# Altium PCB Copy of STM32F103_扩展板.PcbDoc (continued)
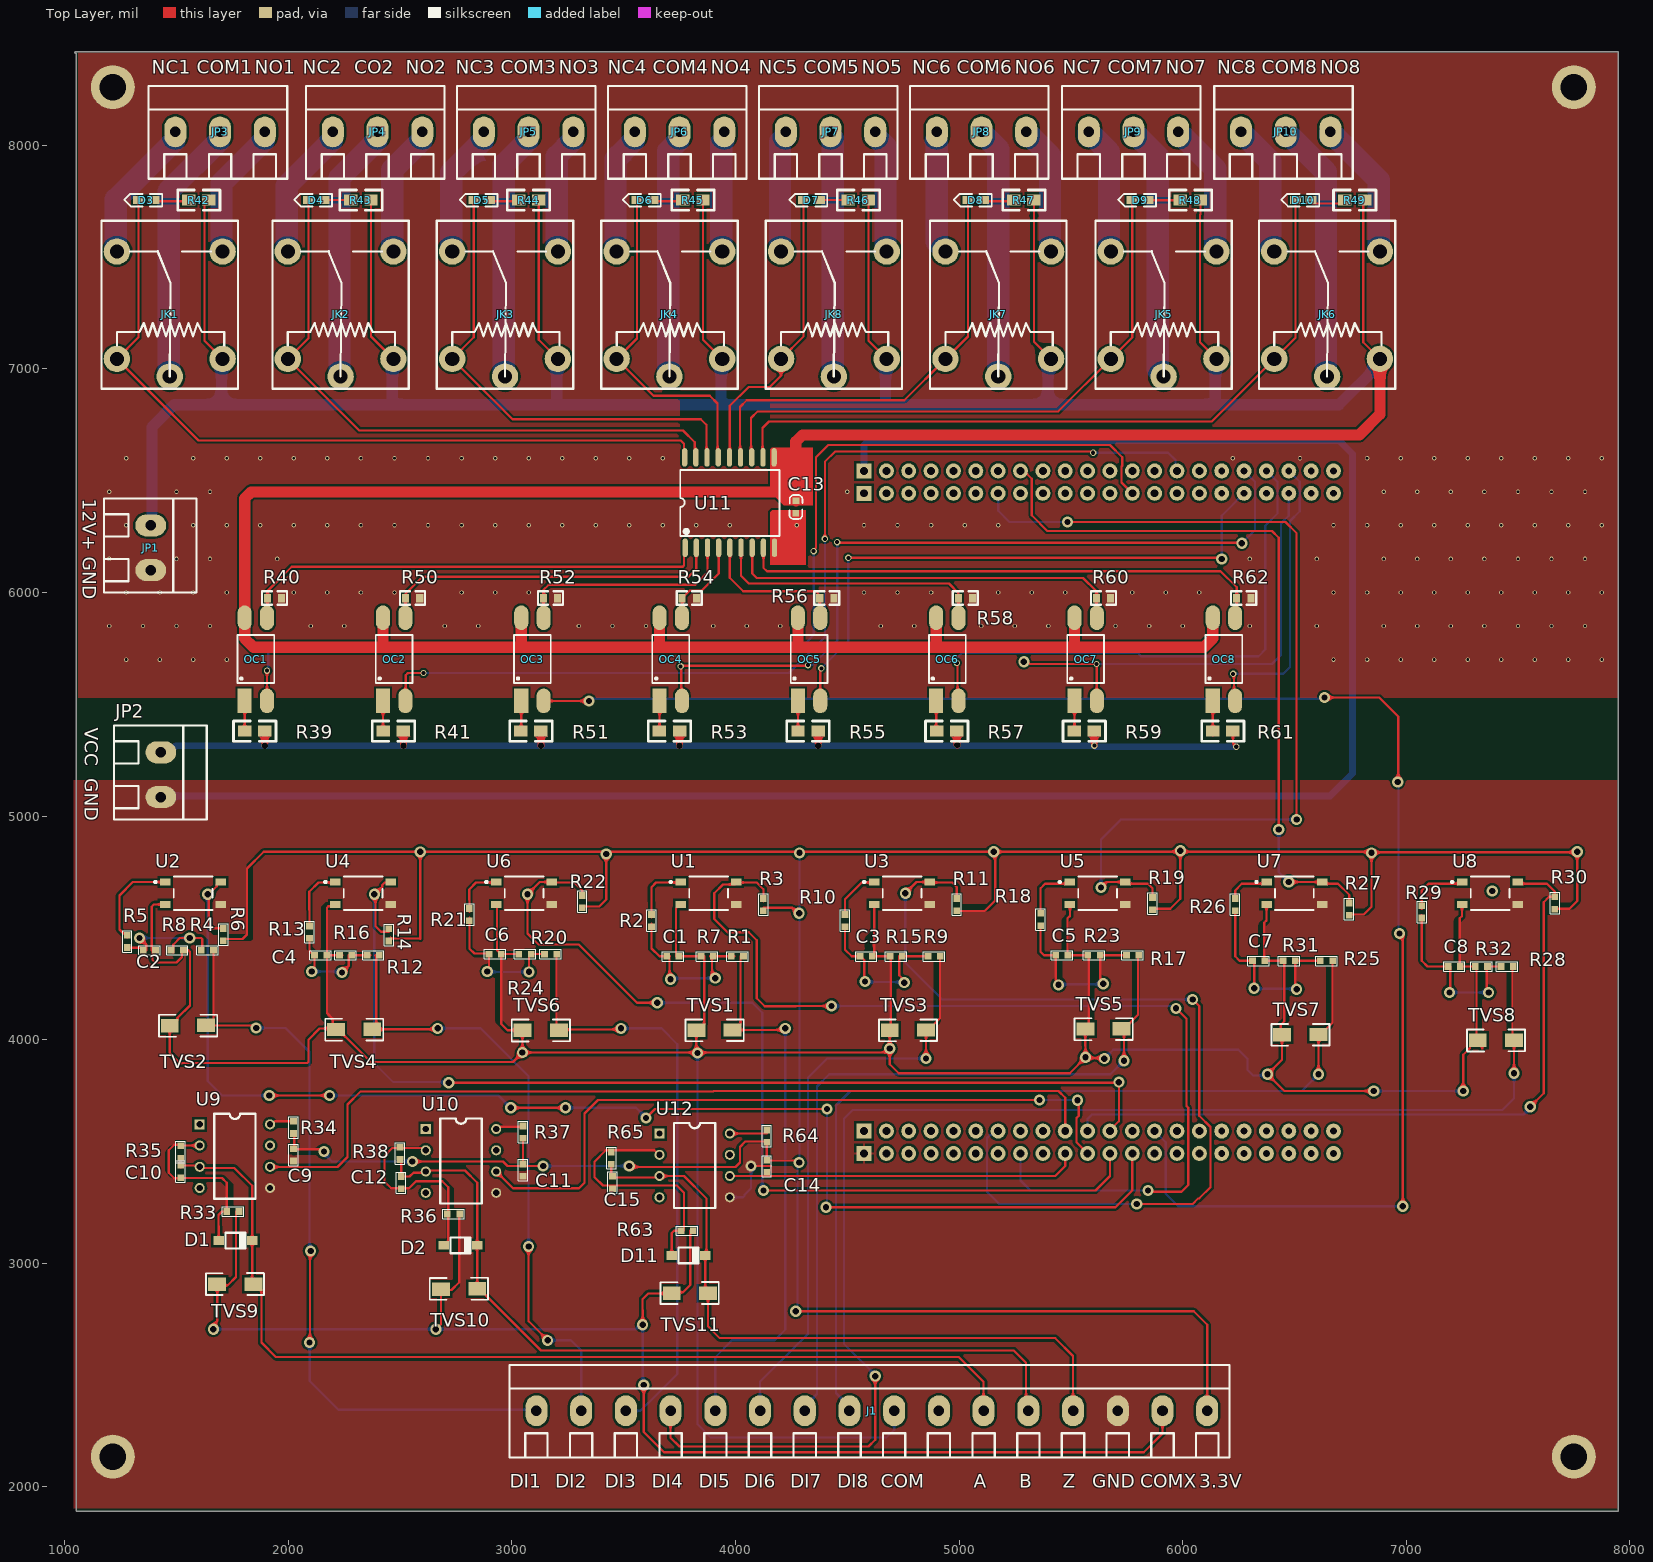
[diagram p0: Top Layer view]
## Nets (pads, with @x,y where several pads share a name; then routed paths per layer and width w, separated by ;. In a path a pad name is that pad's centre, name@x,y a point inside that pad or via, vN(x,y) a via of type N, cw(c..) or ccw(c..) an arc to the next point about the centre after c; other vN are vias at no path point) (continued)
B: C12.2 D2.2 J1.12 R38.1 TVS10.1 U10.3 | length 3738.3
  Top Layer w10: R38.1 2505,3458.72 C12.2 2542.5,3387.5 2560,3405 2610,3405 U10.3 2620,3415 2790,3415 2845,3360 D2.2 TVS10.1 2855,2885 3130,2610 5245,2610 5300,2555 5300,2350 J1.12
COMX0: J1.15 R33.2 R36.2 R63.2 TVS9.2 TVS10.2 TVS11.2 | length 6704.1
  Top Layer w10: v2@1650,2710 1682.56,2742.56 TVS9.2@1682.56,2904.49 ; TVS9.2 1685.76,2901.29 1728.71,2901.29 1766.27,2938.85 R33.2@1766.27,3231.29 ; v2(2660,2705) 2682.56,2727.56 2682.56,2880 TVS10.2 2687.05,2880 2730,2880 2765,2915 R36.2@2765,3221.09 ; v2(3585,2725) 3585,2790.88 3584.14,2791.74 3584.14,2839.14 3610,2865 TVS11.2 3720,2870 3765,2870 3797.56,2902.56 R63.2@3797.56,3145 ; v2(3590,2455) 3590,2245 3680,2155 5826.72,2155 5910,2238.28 J1.15
  Bottom Layer w10: v2(1665,2705) v2(2660,2705) 3554.18,2705 3574.18,2725 v2(3585,2725) 3585,2460 v2(3590,2455) v2@3595,2450
DUL1: OC1.3 R40.1 U11.1 | length 2080
  Top Layer w10: OC1.3 1907.01,5889.13 R40.1 1907.01,6007.01 2015,6115 3764.14,6115 3770,6120.86 3770,6145 U11.1@3770,6170
DUL2: OC2.3 R50.1 U11.2 | length 1549
  Top Layer w10: OC2.3 2525,5888.55 R50.1 2525,5995 2600,6070 3790,6070 3825,6105 U11.2
DUL3: OC3.3 R52.1 U11.3 | length 1000.2
  Top Layer w10: OC3.3 3142.01,5887.25 R52.1 3142.01,6012.01 3165,6035 3820,6035 3875,6090 U11.3
DUL4: OC4.3 R54.1 U11.4 | length 412
  Top Layer w10: OC4.3 3762.01,5888.41 R54.1 3796,6009 3849,6009 3925,6085 U11.4
DUL5: OC5.3 R56.1 U11.5 | length 671.4
  Top Layer w10: U11.5 3975,6075 3974.14,6074.14 3974.14,6065.86 4035,6005 4360,6005 4377.01,5987.99 R56.1 4377.01,5889.4 OC5.3
DUL6: OC6.3 R58.1 U11.6 | length 1240.1
  Top Layer w10: U11.6 4025,6075 4060,6040 4955,6040 4997.01,5997.99 R58.1 4997.01,5887.97 OC6.3
DUL7: OC7.3 R60.1 U11.7 | length 1806.6
  Top Layer w10: U11.7 4075,6085 4095,6065 5555,6065 5615,6005 R60.1 5615,5888.55 OC7.3
DUL8: OC8.3 R62.1 U11.8 | length 2381.3
  Top Layer w10: U11.8 4125,6110.86 4140.86,6095 6170,6095 6242.01,6022.99 R62.1 6242.01,5894.13 OC8.3
GND: C9.2 C11.2 C14.2 J1.14 JP2.2 P1.44 P2.1 pad.5@1215,2135 pad.5@7750,2135 U1.4 U2.4 U3.4 U4.4 U5.4 U6.4 U7.4 U8.4 U9.5 U10.5 U12.5 | length 9441
  Top Layer w10: v2(4070,3435) 4159.15,3435
  Bottom Layer w10: U12.5 4034.14,3295 4040,3300.86 4040,3305 4070,3335 v2(4070,3435)
  Bottom Layer w30: JP2.2 1435,5090 6660,5090 6760,5190 6760,6620 6700,6680 4595,6680 4575,6660 P1.44
GND_RELY: C13.1 JP1.2 pad.5@1215,8260 pad.5@7750,8260 R40.2 R50.2 R52.2 R54.2 R56.2 R58.2 R60.2 R62.2 U11.9
  other v1: 1275,5700 1425,5700 1575,5700 1725,5700 6675,5700 6825,5700 6975,5700 7125,5700 7275,5700 7425,5700 7575,5700 7725,5700 7875,5700 1200,5850 1350,5850 1500,5850 1650,5850 2100,5850 2250,5850 2700,5850 2850,5850 3300,5850 3450,5850 3600,5850 3900,5850 4050,5850 4200,5850 4650,5850 4800,5850 5100,5850 5250,5850 5400,5850 5700,5850 5850,5850 6000,5850 6300,5850 6600,5850 6900,5850 7050,5850 7200,5850 7350,5850 7500,5850 7650,5850 7800,5850 1275,6000 1425,6000 1575,6000 1725,6000 2025,6000 2175,6000 2325,6000 2475,6000 2775,6000 2925,6000 3075,6000 4575,6000 4725,6000 4875,6000 5175,6000 5325,6000 5475,6000 5775,6000 5925,6000 6075,6000 6675,6000 6825,6000 6975,6000 7125,6000 7275,6000 7425,6000 7575,6000 7725,6000 7875,6000 1200,6150 1500,6150 1650,6150 1950,6150 6300,6150 6600,6150 6900,6150 7050,6150 7200,6150 7350,6150 7500,6150 7650,6150 7800,6150 1275,6300 1575,6300 1725,6300 1875,6300 2025,6300 2175,6300 2325,6300 2475,6300 2625,6300 2775,6300 2925,6300 3075,6300 3225,6300 3375,6300 3525,6300 3675,6300 3825,6300 3975,6300 4275,6300 4575,6300 4725,6300 4875,6300 5025,6300 5175,6300 6675,6300 6825,6300 6975,6300 7125,6300 7275,6300 7425,6300 7575,6300 7725,6300 7875,6300 1200,6450 1500,6450 1650,6450 4500,6450 6900,6450 7050,6450 7200,6450 7350,6450 7500,6450 7650,6450 7800,6450 1275,6600 1575,6600 1725,6600 1875,6600 2025,6600 2175,6600 2325,6600 2475,6600 2625,6600 2775,6600 2925,6600 3075,6600 3225,6600 3375,6600 3525,6600 3675,6600 6225,6600 6525,6600 6825,6600 6975,6600 7125,6600 7275,6600 7425,6600 7575,6600 7725,6600 7875,6600
M: C1.2 C2.2 C3.2 C4.2 C5.2 C6.2 C7.2 C8.2 J1.9 R7.1 R8.1 R15.1 R16.1 R23.1 R24.1 R31.1 R32.1 TVS1.1 TVS2.1 TVS3.1 TVS4.1 TVS5.1 TVS6.1 TVS7.1 TVS8.1 U1.3 U2.3 U3.3 U4.3 U5.3 U6.3 U7.3 U8.3 | length 15571.6
  Top Layer w10: 1389.63,4400 1389.63,4595 1399.63,4605 U2.3 ; C2.2@1392.19,4400 1392.19,4357.44 1404.63,4345 1500,4345 1525,4370 1525,4394.09 R8.1 1552.47,4400 1560,4392.47 1560,4153 1505,4098 1505,4088 1480,4063 TVS2.1 1470,3940 1515.86,3894.14 1524.14,3894.14 1525,3895 2084.14,3895 2090,3900.86 2090,4000 2140,4050 TVS4.1@2198.4,4050 ; C4.2 C4.2@2173.41,4377.47 ; C4.2 2173.41,4378.38 2173.41,4590.28 2179.26,4596.14 2204.65,4596.14 U4.3@2210.98,4602.47 ; R16.1@2242.44,4377.47 C4.2@2173.41,4377.47 ; U6.3 2933.68,4602.31 2933.68,4401.3 C6.2 ; R24.1 C6.2 2952.5,4069.97 2980,4042.47 TVS6.1@3047.05,4042.47 ; TVS6.1 TVS6.1@3047.05,4042.47 ; U1.3@3755.98,4602.47 3748.11,4602.47 3733.78,4588.14 3733.78,4372.47 3860,4372.47 3860,4067.47 3835,4042.47 TVS1.1 3825,3949.09 v2@3817.95,3942.05 ; U3.3 4620.98,4380.96 C3.2 R15.1 4695,4368.76 4695,4047.47 TVS3.1 v2(4690,3960) 4690,3890 4730,3850 5495,3850 v2(5565.86,3920.86) ; v2@4684.14,3942.05 v2@3817.95,3942.05 ; U5.3@5495.98,4597.47 5495.98,4553.46 5485,4542.47 5485,4379.98 C5.2 R23.1 5580,4373.76 5580,4062.47 TVS5.1 5565,3972.1 5565.86,3971.24 v2(5565.86,3920.86) ; v2(5650,3915) 5647.07,3917.93 5568.79,3917.93 v2(5565.86,3920.86) ; U7.3@6375.98,4597.47 6375,4596.49 6375,4532.47 6365,4522.47 6365,4354.98 C7.2 R31.1 6455,4346.2 6455,4082.47 6439.14,4066.62 6439.14,4028.33 TVS7.1 6445,3910 v2(6380,3845) 6455,3770 v2(6855,3770) ; U8.3@7250.98,4597.47 7250,4596.49 7250,4552.47 7240,4542.47 7240,4329.98 C8.2 R32.1 7315,4321.2 7315,4002.47 TVS8.1 7315,3997.47 7310,3997.47 7285,3972.47 7285,3962.47 7255,3932.47 v2(7255,3770) ; C4.2@2173.41,4377.47 2173.41,4119.01 2198.4,4094.01 TVS4.1@2198.4,4050 ; TVS4.1@2198.4,4050 2208.4,4050 TVS4.1 2222.93,4045.47 2368.4,3900 3005,3900 v2(3047.05,3942.05) ; v2(3047.05,3942.05) TVS6.1@3047.05,4042.47 ; v2(3047.05,3942.05) v2@3817.95,3942.05
  Bottom Layer w10: v2(3830,3940) 3830,2280 3890,2220 4675,2220 4710,2255 J1.9 ; v2(5565.86,3920.86) v2@5568.79,3917.93 ; v2@5647.07,3917.93 v2(5650,3915) 5690,3955 6250,3955 6290,3915 6290,3865 6315.86,3839.14 6374.14,3839.14 v2(6380,3845) ; v2(6855,3770) v2(7255,3770)
NC: U9.1 U9.4 U10.1 U10.4 U12.1 U12.4
NetC1_1: C1.1 R1.2 R2.1 R7.2 | length 710.5
  Top Layer w10: R2.1@3625,4518.69 3625,4407.47 3660,4372.47 C1.1@3706.22,4372.47 ; v2@3705,4280 C1.1@3705,4370.31 ; R7.2@3887.56,4372.47 R7.2@3895,4372.47 ; v2(3910,4275) 3895,4290 R7.2@3895,4372.47 ; R1.2@3995,4372.47 R7.2@3895,4372.47
  Bottom Layer w10: v2(3710,4270) 3715,4275 v2(3910,4275)
NetC2_1: C2.1 R4.2 R5.1 R8.2 | length 614.5
  Top Layer w10: R5.1 1281.27,4410.86 1340.06,4410.86 C2.1 1364.63,4400 1364.63,4425.37 v2(1335,4455) ; R8.2@1485,4390 1485,4425 1515,4455 1609.14,4455 1615,4449.14 R4.2@1615,4396.6
  Bottom Layer w10: v2(1335,4455) v2(1559.63,4455)
NetC3_1: C3.1 R9.2 R10.1 R15.2 | length 738.1
  Top Layer w10: R10.1 4490,4402.47 4520,4372.47 C3.1 4567.5,4362.48 4569.75,4362.48 4575.61,4356.62 4575.61,4264.39 v2(4580,4260) ; v2(4755,4255) 4755,4265.82 4732.56,4288.26 4732.56,4372.47 R9.2
  Bottom Layer w10: v2(4580,4260) 4582.5,4257.5 4752.5,4257.5 v2(4755,4255)
NetC4_1: C4.1 R12.2 R13.1 R16.2 | length 488.8
  Top Layer w10: R13.1 2095,4396.04 2103.57,4387.48 2107.5,4387.48 C4.1 2117.5,4328.33 2105,4315.82 v2(2105,4305) ; v2(2240,4300) 2270,4330 2270,4377.47 R12.2@2366.22,4377.47
  Bottom Layer w10: v2(2105,4305) 2235,4305 v2(2240,4300)
NetC5_1: C5.1 R17.2 R18.1 R23.2 | length 781.5
  Top Layer w10: R18.1 5365,4392.47 5380,4377.47 C5.1 5432.57,4377.41 5432.57,4268.25 5445,4255.82 v2(5445,4245) ; v2(5645,4250) 5645,4260.82 5631.28,4274.54 R23.2 R17.2
  Bottom Layer w10: v2(5445,4245) 5447.5,4247.5 5642.5,4247.5 v2(5645,4250)
NetC6_1: C6.1 R20.2 R21.1 R24.2 | length 646.8
  Top Layer w10: R21.1@2810,4544.92 R21.1 2810,4407.47 2832.47,4385 2894.98,4385 C6.1 ; v2(2890,4305) 2897.5,4312.5 C6.1 ; v2(3076.88,4303.12) 3076.88,4373.07 R24.2 R20.2
  Bottom Layer w10: v2(2890,4305) 2891.88,4303.12 v2(3076.88,4303.12)
NetC7_1: C7.1 R25.2 R26.1 R31.2 | length 849.8
  Top Layer w10: R26.1 6235,4372.47 6255,4352.47 C7.1 ; C7.1 6320,4344.98 v2(6320,4230) ; v2(6510,4225) 6503.72,4231.28 R31.2 R25.2
  Bottom Layer w10: v2(6320,4230) 6322.5,4227.5 6507.5,4227.5 v2(6510,4225)
NetC8_1: C8.1 R28.2 R29.1 R32.2 | length 806.1
  Top Layer w10: R29.1@7070,4557.47 7070,4352.47 7095,4327.48 C8.1 ; v2(7193.75,4211.25) 7197.49,4214.99 C8.1@7197.49,4326.57 ; v2(7368.75,4211.25) 7368.75,4222.07 7360,4230.82 7360,4323.75 R32.2 R28.2
  Bottom Layer w10: v2(7193.75,4211.25) v2(7368.75,4211.25)
NetC10_1: C10.1 D1.1 R33.1 R35.2 U9.2 | length 823.4
  Top Layer w10: R35.2@1518.71,3515.22 1529.78,3526.29 U9.2 ; R35.2 1513.72,3530 1490,3530 1465,3505 1465,3405 1490,3380 1516.14,3380 C10.1 1520.09,3381.19 1703.81,3381.19 1725,3360 R33.1 1703.71,3231.29 1687.86,3215.43 1687.86,3166.13 1688.71,3165.27 D1.1
NetC12_1: C12.1 D2.1 R36.1 R38.2 U10.2 | length 910.5
  Top Layer w10: U10.2 2605.53,3505 2595.53,3515 2465,3515 2430,3480 2430,3365 2460,3335 2540,3335 2571.25,3366.25 2688.75,3366.25 2715,3340 2715,3100.54 2713.62,3099.17 2713.62,3094.69 2698.94,3080 D2.1
NetC15_1: C15.1 D11.1 R63.1 R65.2 U12.2 | length 1147.8
  Top Layer w10: U12.2 3656.64,3485 3636.64,3505 3420,3505 3369.14,3454.14 3369.14,3445.86 3370,3445 3370,3385 3407.56,3347.44 3450,3347.44 3737.56,3347.44 3770,3315 3770,3145 R63.1 3725,3145 3715,3135 D11.1
NetD3_1: D3.1 R42.2 | length 130
  Top Layer w10: D3.1@1410,7750 R42.2@1540,7750
NetD4_1: D4.1 R43.2 | length 135
  Top Layer w10: D4.1@2166.72,7755 R43.2@2301.72,7755
NetD5_1: D5.1 R44.2 | length 130
  Top Layer w10: D5.1@2903.88,7750 R44.2@3033.89,7750
NetD6_1: D6.1 R45.2 | length 135
  Top Layer w10: D6.1@3633.9,7750 R45.2@3768.91,7750
NetD7_1: D7.1 R46.2 | length 145
  Top Layer w10: D7.1@4375.34,7755 R46.2@4520.34,7755
NetD8_1: D8.1 R47.2 | length 135
  Top Layer w10: D8.1@5115.86,7750 R47.2@5250.86,7750
NetD9_1: D9.1 R48.2 | length 145
  Top Layer w10: D9.1@5836.89,7754.74 R48.2@5981.89,7754.74
NetD10_1: D10.1 R49.2 | length 150.1
  Top Layer w10: D10.1@6575,7739.74 6724.74,7739.74 R49.2@6725,7740
NetJK1_3: JK1.3 JP3.2 | length 1134.5
  Bottom Layer w100: JK1.3@1470,6991.06 1464.88,6985.94 1464.88,7794.88 JP3.2@1690,8020
NetJK1_4: JK1.4 JP3.1 | length 583.2
  Bottom Layer w100: JK1.4@1228.66,7545 1228.66,7758.66 JP3.1@1490,8020
NetJK1_5: JK1.5 JP3.3 | length 553.2
  Bottom Layer w100: JK1.5@1701.1,7545 1701.1,7831.1 JP3.3@1890,8020
NetJK2_3: JK2.3 JP4.2 | length 1109.7
  Bottom Layer w100: JK2.3@2234.26,6991.06 2229.14,6985.94 2229.14,7854.88 JP4.2@2394.26,8020
NetJK2_4: JK2.4 JP4.1 | length 558.4
  Bottom Layer w100: JK2.4@1992.92,7545 1992.92,7818.66 JP4.1@2194.26,8020
NetJK2_5: JK2.5 JP4.3 | length 528.4
  Bottom Layer w100: JK2.5@2465.36,7545 2465.36,7891.1 JP4.3@2594.26,8020
NetJK3_3: JK3.3 JP5.2 | length 1084.8
  Bottom Layer w100: JK3.3@2969.62,6991.06 2964.5,6985.94 2964.5,7914.88 JP5.2@3069.62,8020
NetJK3_4: JK3.4 JP5.1 | length 533.5
  Bottom Layer w100: JK3.4@2728.28,7545 2728.28,7878.66 JP5.1@2869.62,8020
NetJK3_5: JK3.5 JP5.3 | length 503.5
  Bottom Layer w100: JK3.5@3200.72,7545 3200.72,7951.1 JP5.3@3269.62,8020
NetJK4_3: JK4.3 JP6.2 | length 1060
  Bottom Layer w100: JK4.3@3704.98,6991.06 3699.86,6985.94 3699.86,7974.88 JP6.2@3744.98,8020
NetJK4_4: JK4.4 JP6.1 | length 508.7
  Bottom Layer w100: JK4.4@3463.64,7545 3463.64,7938.66 JP6.1@3544.98,8020
NetJK4_5: JK4.5 JP6.3 | length 478.7
  Bottom Layer w100: JK4.5@3936.08,7545 3936.08,8011.1 JP6.3@3944.98,8020
NetJK5_3: JK5.3 JP9.2 | length 1160.5
  Bottom Layer w100: JP9.2 5780.3,8041.89 5781.08,8041.1 5799.2,8041.1 5888.19,7952.11 5888.19,6997.83 5915.18,6970.85 JK5.3
NetJK5_4: JK5.4 JP9.1 | length 586.5
  Bottom Layer w100: JP9.1 5580.3,8041.89 5581.08,8041.1 5599.2,8041.1 5671.09,7969.2 5671.09,7537.77 5678.96,7529.9 JK5.4
NetJK5_5: JK5.5 JP9.3 | length 594.4
  Bottom Layer w100: JP9.3 5980.3,8041.89 5981.08,8041.1 5999.2,8041.1 6146.4,7893.9 JK5.5@6146.4,7545
NetJK6_3: JK6.3 JP10.2 | length 1159.3
  Bottom Layer w100: JP10.2 6461.18,8041.89 6461.97,8041.1 6480.08,8041.1 6641.3,7879.88 JK6.3@6641.3,6985.94
NetJK6_4: JK6.4 JP10.1 | length 607.3
  Bottom Layer w100: JP10.1 6261.18,8041.89 6261.97,8041.1 6280.08,8041.1 6391.59,7929.59 6391.59,7548.39 6410.08,7529.9 JK6.4
NetJK6_5: JK6.5 JP10.3 | length 615.2
  Bottom Layer w100: JP10.3 6661.18,8041.89 6661.97,8041.1 6680.08,8041.1 6877.52,7843.66 JK6.5@6877.52,7545
NetJK7_3: JK7.3 JP8.2 | length 1129
  Bottom Layer w100: JP8.2 5100.7,8041.89 5101.48,8041.1 5116.33,8041.1 5175.7,7981.74 5175.7,6974.31 JK7.3@5172.11,6974.31
NetJK7_4: JK7.4 JP8.1 | length 513.1
  Bottom Layer w100: JP8.1@4895.7,8020 4900.7,8015 4900.7,7568.56 4939.36,7529.9 JK7.4
NetJK7_5: JK7.5 JP8.3 | length 569.6
  Bottom Layer w100: JP8.3 5300.7,8041.89 5301.48,8041.1 5319.6,8041.1 5406.8,7953.9 JK7.5@5406.8,7545
NetJK8_3: JK8.3 JP7.2 | length 1078.1
  Bottom Layer w100: JP7.2 4425.34,8041.89 4435.22,8032.01 JK8.3@4435.22,6985.94
NetJK8_4: JK8.4 JP7.1 | length 525.9
  Bottom Layer w100: JK8.4@4199,7545 4199,8015.55 4225.34,8041.89 JP7.1
NetJK8_5: JK8.5 JP7.3 | length 534.1
  Bottom Layer w100: JP7.3 4625.34,8041.89 4671.44,7995.79 JK8.5@4671.44,7545
NetOC1_1: OC1.1 R39.1 | length 140
  Top Layer w10: R39.1@1805,5375 OC1.1
NetOC2_1: OC2.1 R41.1 | length 135.6
  Top Layer w10: OC2.1 2423.57,5381.43 R41.1
NetOC3_1: OC3.1 R51.1 | length 145.9
  Top Layer w10: R51.1@3040,5370 3042.14,5372.14 OC3.1
NetOC4_1: OC4.1 R53.1 | length 140.3
  Top Layer w10: R53.1@3660,5375 3660.71,5375.71 OC4.1
NetOC5_1: OC5.1 R55.1 | length 140.3
  Top Layer w10: OC5.1 4279.29,5375.71 R55.1@4280,5375
NetOC6_1: OC6.1 R57.1 | length 140.9
  Top Layer w10: OC6.1 4897.86,5377.14 R57.1@4900,5375
NetOC7_1: OC7.1 R59.1 | length 140.6
  Top Layer w10: R59.1@5515,5375 5516.43,5376.43 OC7.1
NetOC8_1: OC8.1 R61.1 | length 155
  Top Layer w10: R61.1@6135,5360 OC8.1
NetR2_2: R2.2 U1.1 | length 276.2
  Top Layer w10: R2.2@3625,4546.25 3625,4615.93 3624.14,4616.79 3624.14,4681.62 3645,4702.47 U1.1@3755.98,4702.47
NetR5_2: R5.2 U2.1 | length 426.7
  Top Layer w10: R5.2@1279.63,4457.72 1244.63,4492.72 1244.63,4645 1304.63,4705 U2.1@1444.71,4705
NetR10_2: R10.2 U3.1 | length 229.5
  Top Layer w10: R10.2 4490,4627.47 4565,4702.47 U3.1@4620.98,4702.47
NetR13_2: R13.2 U4.1 | length 287
  Top Layer w10: R13.2 2095,4580.32 2094.14,4581.18 2094.14,4661.62 2135,4702.47 U4.1@2210.98,4702.47
NetR18_2: R18.2 U5.1 | length 251.8
  Top Layer w10: R18.2 5365,4677.47 5385,4697.47 U5.1@5495.98,4697.47
NetR21_2: R21.2 U6.1 | length 234.1
  Top Layer w10: R21.2@2810,4572.47 2810,4624.04 2809.14,4624.9 2809.14,4671.62 2840,4702.47 U6.1@2930.98,4702.47
NetR26_2: R26.2 U7.1 | length 189.7
  Top Layer w10: R26.2 6235,4667.47 6265,4697.47 U7.1@6375.98,4697.47
NetR29_2: R29.2 U8.1 | length 275.9
  Top Layer w10: R29.2@7070,4585.03 7070,4667.47 7100,4697.47 U8.1@7250.98,4697.47
PA0: P2.35 U9.6 | length 3994.9
  Top Layer w10: U9.6@1920,3430 2220,3430 2265,3475 2265,3710 2322.5,3767.5 3900,3767.5 3902.5,3770 5445,3770 5475,3740 P2.35
PA1: P2.11 U10.6 | length 3242.9
  Top Layer w10: U10.6 3005,3335 3300,3335 3325,3360 3325,3670 3385,3730 v2(5360,3730) ; v2@5529.14,3730 v2(5530,3729.14) 5535,3724.14 5535,3660 5525,3650 5525,3540.98 P2.11
  Bottom Layer w10: v2(5360,3730) 5360.43,3729.57 5529.57,3729.57 v2(5530,3729.14)
PA4: P2.10 U12.6 | length 1590
  Top Layer w10: U12.6 5430,3390 5475,3435 P2.10 P2.10@5459.6,3491
PA5: P2.36
PA6: P2.9
PA7: P2.37
PA8: P1.9
PA13: P1.35
PA14: P1.10
PA15: P1.34
PB0: P2.7
PB1: P2.39
PB2: P2.6
PB3: P1.19
PB4: OC8.2 P1.25 | length 1312.7
  Top Layer w10: v3(6226.25,5636.25) 6229.69,5632.81 6229.69,5520.31 OC8.2
  Bottom Layer w10: v3@6222.5,5632.5 v3(6226.25,5636.25) 6451.25,5636.25 6480,5665 6480,6320 6523.46,6363.46 6523.46,6495.28 P1.25
PB5: OC7.2 P1.20 | length 2074.5
  Top Layer w10: v2(5290,5690) 5297.65,5682.35 5313.51,5682.35 5315.86,5680 v3(5615,5680) 5615.71,5679.29 5615.71,5515.71 OC7.2
  Bottom Layer w10: v3(5615,5680) 6400,5680 6440,5720 6440,6308.28 6475,6343.28 P1.20
PB6: P1.24
PB7: P1.21
PB8: P1.23
PB9: P1.22
PB12: P2.44
PB13: P2.2
PB14: P1.1
PB15: P1.43
PC0: P2.13 R6.2 U2.6 | length 5995.3
  Top Layer w10: v2(1640,4650) 1643.65,4650 1680.03,4686.38 1680.03,4694.25 1690.77,4705 U2.6 ; v2@1644.63,4650.98 1644.63,4510 1656.83,4497.8 1699.63,4497.8 1709.63,4487.8 R6.2@1709.63,4487.72 ; v2(1915,3750) v2(2185,3750) ; v2(2995,3695) v2(3240,3695) ; v2(3600,3650) 3640,3690 v2@4395,3690 ; v2(4405,3250) 5700,3250 5775,3325 P2.13
  Bottom Layer w10: v2(1640,4650) 1640,3815 1705,3750 v2(1915,3750) ; v2(2185,3750) 2940,3750 v2(2995,3695) ; v2(3240,3695) 3555,3695 v2(3600,3650) ; v2@4405,3240 4410,3245 v2(4410,3690)
PC1: P2.33 R14.2 U4.6 | length 4655.6
  Top Layer w10: U4.6@2439.02,4702.47 2431.14,4702.47 2420.39,4691.73 2420.39,4683.85 2390,4653.46 2390,4507.47 2415,4482.47 R14.2@2450,4482.47 ; v2(2717.5,3807.5) v2@5715,3807.5 ; P2.33 5675,3594.83 5715,3634.83 v2@5715,3807.5 ; v2(5715,3810) v2@5715,3807.5
  Bottom Layer w10: v2(2385,4650) 2385,3895 2470,3810 2720,3810 v2@2725,3815
PC2: P2.12 R22.2 U6.6 | length 4164.7
  Top Layer w10: U6.6@3179.02,4702.47 3280,4702.47 3315,4667.48 R22.2 ; U6.6 3125,4705 v2(3070,4650) 3070,4475 3120,4425 3300,4425 3560,4165 v2(3650,4165) v2@3660,4165 ; v2(4125,3325) 5610,3325 5675,3390 P2.12
  Bottom Layer w10: v2(3650,4165) 4075,4165 4120,4120 v2@4120,3320
PC3: P2.34 R30.2 U8.6 | length 3251.6
  Top Layer w10: U8.6@7499.02,4697.47 7630,4697.47 7665,4662.47 R30.2 7638.76,4638.76 7615,4615 7615,3760 v2(7555,3700)
  Bottom Layer w10: P2.34 5575,3645 5595,3665 7525,3665 v2@7550,3690
PC4: P2.8 R3.2 U1.6 | length 4506.5
  Top Layer w10: R3.2@4125,4617.47 4125,4672.47 4095,4702.47 4004.02,4702.47 3995.79,4694.25 3944.25,4694.25 3905,4655 3905,4540 3965,4480 4060,4480 4095,4445 4095,4185 4130.86,4149.14 4270.76,4149.14 4271.62,4150 v2(4430,4150) ; v2@5850,3320 5995,3320 6025,3350 6025,3695 6017.07,3702.93 6017.07,4092.93 v2(5970,4140)
  Bottom Layer w10: v2(4430,4150) v2@5965,4150 ; P2.8 5275,3370 5320,3325 v2(5845,3325)
PC5: P2.38 R11.2 U3.6 | length 4203.4
  Top Layer w10: v2(4760,4655) 4810,4705 U3.6 ; U3.6@4869.02,4702.47 4970,4702.47 4990,4682.47 R11.2 ; v2(5795,3265) 6045,3265 6070,3290 6075,3290 6125,3340 6125,3609.52 6075,3659.52 6075,4150 v2(6045,4180)
  Bottom Layer w10: v2(4760,4655) 4760,4345 4925,4180 v2(6045,4180) ; P2.38 5159.6,3590.98 5140.67,3572.06 5137.06,3572.06 5125,3560 5125,3320 5180,3265 v2(5795,3265)
PC6: P1.7 R19.2 U5.6 | length 4166.5
  Top Layer w10: v2@5475,6325 v2(5485,6315) 6460,6315 6510,6265 v2(6510,4985) ; v2(5635,4680) 5660,4705 U5.6 ; U5.6@5744.02,4697.47 5845,4697.47 5865,4677.47 R19.2
  Bottom Layer w10: P1.7 5175,6365 5225,6315 v2(5485,6315) ; v2(5635,4680) 5635,4895 5725,4985 v2(6510,4985)
PC7: P1.37 R27.2 U7.6 | length 3260.5
  Top Layer w10: P1.37 5290.4,6543.74 5325,6509.14 5325,6345 5395,6275 6400,6275 6430,6245 v2(6430,4940) ; v2(6475,4705) U7.6 ; U7.6@6624.02,4697.47 6695,4697.47 6745,4647.47 R27.2
  Bottom Layer w10: v2(6430,4940) 6430,4750 v2(6475,4705)
PC8: P1.8
PC9: P1.36
PC10: P1.11
PC11: P1.33
PC12: P1.12
PC13: P2.19
PD2: P1.32
PD3: OC1.2 P1.13 | length 5096.5
  Top Layer w10: OC1.2 v3(1905,5650) ; v3(4350,6185) 4350,6189.87 4360,6199.87 4360,6462.21 4360,6605 4415,6660 5675,6660 5730,6605 5730,6567.28 5726.54,6563.81 5726.54,6492.2 P1.13
  Bottom Layer w10: v3(1905,5650) 1910,5655 1910,5745 1920,5755 4295,5755 4350,5810 v3(4350,6185)
PD4: P1.31
PD5: P1.14
PD6: OC2.2 P1.30 | length 4526
  Top Layer w10: OC2.2@2523.57,5538.62 OC2.2 2525,5516.43 2525,5630 2535,5640 v3(2605,5640) v3@2601.56,5636.56 ; v3(4400,6240) 4400,6585 4445,6630 v5@5600,6630
  Bottom Layer w10: v3(2605,5640) 4240,5640 4400,5800 v3(4400,6240) ; v5(5600,6625) 5935,6625 5967.8,6592.2 5967.8,6550.94 P1.30
PD7: P1.15
PD11: P1.2
PD12: P1.42
PD13: P1.3 | length 6.2
  Bottom Layer w10: P1.3@4770.62,6439.37 P1.3
PE0: P2.23
PE1: P2.22
PE2: P2.24
PE3: P2.21
PE4: P2.25
PE5: P2.20
PE6: P2.26
PF0: P2.27
PF1: P2.18
PF2: P2.28
PF3: P2.17
PF4: P2.29
PF5: P2.16
PF6: P2.30
PF7: P2.15 | length 15.4
  Top Layer w10: P2.15 P2.15@5990.4,3491
PF8: OC3.2 P2.31 | length 7450
  Top Layer w10: OC3.2 v2(3345,5515) ; v2(6635,5530) 6880,5530 6965,5445 6965,5155 v2(6962.5,5152.5) ; v2(6970,4475) 6985,4460 v2(6985,3255)
  Bottom Layer w10: v2@3345,5525 v2@6635,5525 ; P2.31 5925,3540.98 5925,3310 5980,3255 v2(6985,3255) v2@6990,3260 ; v2(6962.5,5152.5) 6966.25,5148.75 6966.25,4478.75 v2(6970,4475)
PF9: P2.14
PF10: P2.32
PF11: P2.40
PF12: P2.5
PF13: P2.41
PF14: P2.4
PF15: P2.42
PG0: P2.3
PG1: P2.43
PG2: P1.41
PG3: P1.4
PG4: P1.40 | length 10.2
  Top Layer w10: P1.40@4967.8,6550.94 P1.40
PG5: P1.5
PG6: P1.39
PG7: P1.6
PG8: P1.38
PG9: P1.29
PG10: P1.16
PG11: P1.28
PG12: P1.17
PG13: OC4.2 P1.27 | length 3528.6
  Top Layer w10: OC4.2 3757.86,5517.86 3757.86,5667.14 v3(3755,5670) 3757.5,5672.5 4322.5,5672.5 v3(4325,5675) ; v3(4455,6225) 4457.5,6222.5 6262.5,6222.5 v2(6265,6220)
  Bottom Layer w10: v3@3755,5675 v3@3757.5,5672.5 ; v3(4325,5675) 4328.44,5678.44 4348.44,5678.44 4455,5785 v3(4455,6225) ; v2(6265,6220) 6323.46,6278.46 6323.46,6495.28 P1.27
PG14: OC5.2 P1.18 | length 2697.2
  Top Layer w10: OC5.2 4379.42,5515.14 4379.42,5655.85 v3(4384.29,5660.71) ; v3(4505,6155) v2@6175,6155
  Bottom Layer w10: v3(4384.29,5660.71) 4505,5781.43 v3(4505,6155) ; v2(6175,6150) 6175,6343.74 P1.18
PG15: OC6.2 P1.26 | length 2448.6
  Top Layer w10: v3(4990,5685) 4993.44,5681.56 4993.44,5519.41 OC6.2
  Bottom Layer w10: v3(4990,5685) 4986.56,5688.44 4986.56,5698.44 4985,5700 5015,5730 5799.22,5730 5814.22,5715 6340,5715 6370,5745 6370,6300 6425,6355 6425,6493.74 P1.26
RELY1: D3.2 JK1.1 U11.18 | length 3533.6
  Top Layer w10: D3.2 1330,7141.02 JK1.1 1598.35,6680 3755,6680 3770,6665 U11.18@3770,6575
RELY2: D4.2 JK2.1 U11.17 | length 2820.5
  Top Layer w10: D4.2 2090,7136.77 JK2.1 2317.6,6725 3765,6725 3818.44,6671.56 3818.44,6576.56 U11.17@3820,6575
RELY3: D5.2 JK3.1 U11.16 | length 2183.9
  Top Layer w10: D5.2 2830,7141.4 JK3.1 3002.96,6775 3845,6775 3870,6750 U11.16@3870,6575
RELY4: D6.2 JK4.1 U11.15 | length 1552
  Top Layer w10: D6.2 3560,7136.04 JK4.1 3633.32,6880 3885,6880 3920,6845 U11.15@3920,6575
RELY5: D7.2 JK8.1 U11.14 | length 1347.1
  Top Layer w10: U11.14@3975,6600 3975,6835 4059,6919 4154,6919 4204,6969 JK8.1 4305,7145.68 D7.2
RELY6: D8.2 JK7.1 U11.13 | length 2015
  Top Layer w10: U11.13@4020,6575 4020,6830 4050,6860 4754.67,6860 JK7.1 5040,7145.33 D8.2
RELY7: D9.2 JK5.1 U11.12 | length 2673.4
  Top Layer w10: U11.12@4070,6575 4070,6780 4100,6810 5444.27,6810 JK5.1 5775,7140.73 D9.2
RELY8: D10.2 JK6.1 U11.11 | length 3327.7
  Top Layer w10: U11.11@4120,6575 4120.89,6575.89 4120.89,6735.89 4150,6765 6130.39,6765 JK6.1 6505,7139.6 D10.2
VCC: JP2.1 R39.2 R41.2 R51.2 R53.2 R55.2 R57.2 R59.2 R61.2 | length 5334.6
  Top Layer w10: R61.2@6225,5360 6225,5325 v3(6240,5310)
  Top Layer w30: v4@1895,5325 R39.2 ; v4(2515,5315) R41.2 ; v4(3130,5315) R51.2 ; v4(3750,5315) R53.2 ; v4(4370,5315) R55.2 ; R57.2 4990,5320 v4(4992.5,5317.5) ; v5(5605,5315) R59.2
  Bottom Layer w30: JP2.1 1468.2,5285 1498.2,5315 1885,5315 1895,5325 1905,5315 v4(2515,5315) v4(3130,5315) v4(3750,5315) 4990,5315 v4(4992.5,5317.5) 4995,5315 v5(5605,5315) 5610,5310 v3(6240,5310)
  other v4: 1895,5315
X10: J1.1 R4.1 TVS2.2 | length 3404.1
  Top Layer w10: TVS2.2 1640,4063.51 1665,4088.51 R4.1@1665,4403.02 ; TVS2.2@1652.19,4066.61 1655.29,4063.51 1866.49,4063.51 v2@1870,4060 ; v2(2095,2645) 2097.5,2647.5 2097.5,3052.5 v2(2100,3055)
  Bottom Layer w10: v2(1856.29,4052.28) 1987.72,4052.28 2095,3945 v2@2095,3055 ; v2(2095,2645) 2096.45,2643.55 2096.45,2473.55 2225,2345 3105,2345 J1.1
X11: J1.2 R12.1 TVS4.2 | length 2792.8
  Top Layer w10: 2388.94,4376.57 2389.84,4377.47 2393.78,4377.47 2393.78,4064.4 TVS4.2 2660.99,4045.99 v2@2670,4055 ; v2(3075,3075) 3075,2740 v2(3160,2655)
  Bottom Layer w10: v2(2668.05,4050.53) 2859.47,4050.53 3075,3835 v2(3075,3075) ; v2(3160,2655) 3265,2655 3310,2610 J1.2
X12: J1.3 R20.1 TVS6.2 | length 2683.3
  Top Layer w10: R20.1@3200,4386.06 3200,4052.47 TVS6.2 3212.53,4045 v2@3490,4045
  Bottom Layer w10: v2(3488.05,4050.53) 3669.47,4050.53 3740,3980 3740,2505 3575,2340 J1.3
X13: J1.4 R28.1 TVS8.2 | length 6188.2
  Top Layer w10: J1.4 3710,2220 3750,2180 4595,2180 4625,2210 v2@4625,2490 ; v2@4620,2490 v2(4625,2495) ; R28.1@7475,4327.59 7475,4005.43 7482.7,3997.72 v2(7482.7,3849.92)
  Bottom Layer w10: v2(4625,2495) 4625,2500 4485,2640 4485,3645 4525,3685 7430,3685 7482.7,3737.7 v2(7482.7,3849.92)
X14: J1.5 R1.1 TVS1.2 | length 2533.9
  Top Layer w10: TVS1.2 TVS1.2@3997.44,4042.99 ; R1.1@4022.56,4372.47 4022.56,4068.1 TVS1.2@3997.44,4042.99 ; v2@4225,4055 4212.99,4042.99 TVS1.2@3997.44,4042.99
  Bottom Layer w10: J1.5 3910,2580 3985,2655 4175,2655 4223.05,2703.05 v2(4223.05,4050.53)
X15: J1.6 R9.1 TVS3.2 | length 2637.4
  Top Layer w10: v2@4858.05,3910.53 v2(4852.44,3916.13) TVS3.2 4862.44,4042.99 4915,4095.55 R9.1@4915,4371.7
  Bottom Layer w10: J1.6 4110,2470 4325,2685 4325,3830 4411.13,3916.13 v2(4852.44,3916.13)
X16: J1.7 R17.1 TVS5.2 | length 3405
  Top Layer w10: v2(5738.05,3905.53) 5738.05,4037.38 TVS5.2 5737.44,4047.99 5800,4110.55 R17.1@5800,4376.59
  Bottom Layer w10: J1.7 4310,2359.69 4365,2414.69 4365,3790 4420,3845 5677.52,3845 v2(5738.05,3905.53)
X17: J1.8 R25.1 TVS7.2 | length 4166.9
  Top Layer w10: J1.8@4493.08,2323.08 J1.8 ; v2(6608.05,3845.53) 6608.05,4022.38 TVS7.2 6617.44,4022.99 6670,4075.55 R25.1@6670,4350.38
  Bottom Layer w10: J1.8 4510,2359.69 4450,2419.69 4450,3705 4515,3770 6532.52,3770 v2(6608.05,3845.53)
XC00: R34.2 U9.8 | length 120
  Top Layer w10: U9.8 1928.18,3621.29 1941.9,3635 R34.2@2033.08,3635
XC01: R37.2 U10.8 | length 122.5
  Top Layer w10: U10.8 2939.47,3600 2949.47,3610 R37.2@3048.4,3610
XC02: R64.2 U12.8 | length 167
  Top Layer w10: U12.8 4139.09,3580 4140,3580.91 R64.2@4140,3582.56
Z: C15.2 D11.2 J1.13 R65.1 TVS11.1 U12.3 | length 3039.6
  Top Layer w10: R65.1 3445,3383.94 3653.94,3383.94 U12.3 3770,3390 3870,3290 3870,3040 D11.2 3865,2877.95 TVS11.1 3877.44,2717.56 3930,2665 5430,2665 5510,2585 J1.13
pads on no net: J1.10 U9.7 U10.7 U12.7
copper on no net:
  other v2: 7385,4665

## Polygon pours and split planes (outlines as drawn)
GND on Top Layer "Top Layer-UP" (solid, remove dead copper, pour order 1): 1040,5160 7945,5160 7945,1905 1040,1905
GND_RELY on Top Layer "Top Layer-UP" (solid, remove dead copper, pour order 0): 1060,8415 7949.02,8415 7949.02,5530 1060,5530
GND_RELY on Bottom Layer "Top Layer-UP" (solid, remove dead copper, pour order 4): 1047.5,8415 7949.02,8415 7949.02,5525 1047.5,5525
GND on Bottom Layer "Top Layer-UP" (solid, remove dead copper, pour order 3): 1040,5170 7949.02,5170 7949.02,1890 1040,1890

## Other copper
Top Layer:
  region net +12_RELY: 4155,6640 4162.5,6647.5 4345,6647.5 4345,6390 4215,6390 4155,6450
  region net GND_RELY: 4155,6358.9 4165,6368.9 4315,6368.9 4315,6125 4155,6125
  pour cut-out: 4034.77,5995 3840,5995 3840,6100 4025,6100 4030,6105
  pour cut-out: 3750.28,6905.3 4155,6905 4155,6680 3749.71,6680

## Silkscreen, mask and mechanical layers (free items; w line width, h text height)
Top Overlay:
  text "NC1" at 1390,8320 h60
  text "COM1" at 1590,8320 h60
  text "NO1" at 1850,8320 h60
  text "NC2" at 2065,8320 h60
  text "CO2" at 2295,8320 h60
  text "NO2" at 2525,8320 h60
  text "NC3" at 2750,8320 h60
  text "COM3" at 2950,8320 h60
  text "NO3" at 3210,8320 h60
  text "NC4" at 3430,8320 h60
  text "COM4" at 3630,8320 h60
  text "NO4" at 3890,8320 h60
  text "NC5" at 4105,8320 h60
  text "COM5" at 4305,8320 h60
  text "NO5" at 4565,8320 h60
  text "NC6" at 4790,8320 h60
  text "COM6" at 4990,8320 h60
  text "NO6" at 5250,8320 h60
  text "NC7" at 5465,8320 h60
  text "COM7" at 5665,8320 h60
  text "NO7" at 5925,8320 h60
  text "NC8" at 6155,8320 h60
  text "COM8" at 6355,8320 h60
  text "NO8" at 6615,8320 h60
  text "12V+" at 1080,6420 h60 r270
  text "GND" at 1080,6160 h60 r270
  text "VCC" at 1090,5395 h60 r270
  text "GND" at 1090,5170 h60 r270
  text "DI1" at 2990,1995 h60
  text "DI2" at 3195,1995 h60
  text "DI3" at 3415,1995 h60
  text "DI4" at 3625,1995 h60
  text "DI5" at 3835,1995 h60
  text "DI6" at 4040,1995 h60
  text "DI7" at 4245,1995 h60
  text "DI8" at 4455,1995 h60
  text "COM" at 4650,1995 h60
  text "A" at 5065,1995 h60
  text "B" at 5270,1995 h60
  text "Z" at 5465,1995 h60
  text "GND" at 5595,1995 h60
  text "COMX" at 5810,1995 h60
  text "3.3V" at 6075,1995 h60
Bottom Overlay:
  text "PB8" at 6855,6535 h31.5
  text "PE1" at 6870,3475 h31.5
Mechanical 1:
  lines w8: 1050,8415 7945,8415 7945,1895 1055,1895 1055,8415